# Allegro board belt-box-dvt3-0706pm14.brd (continued)
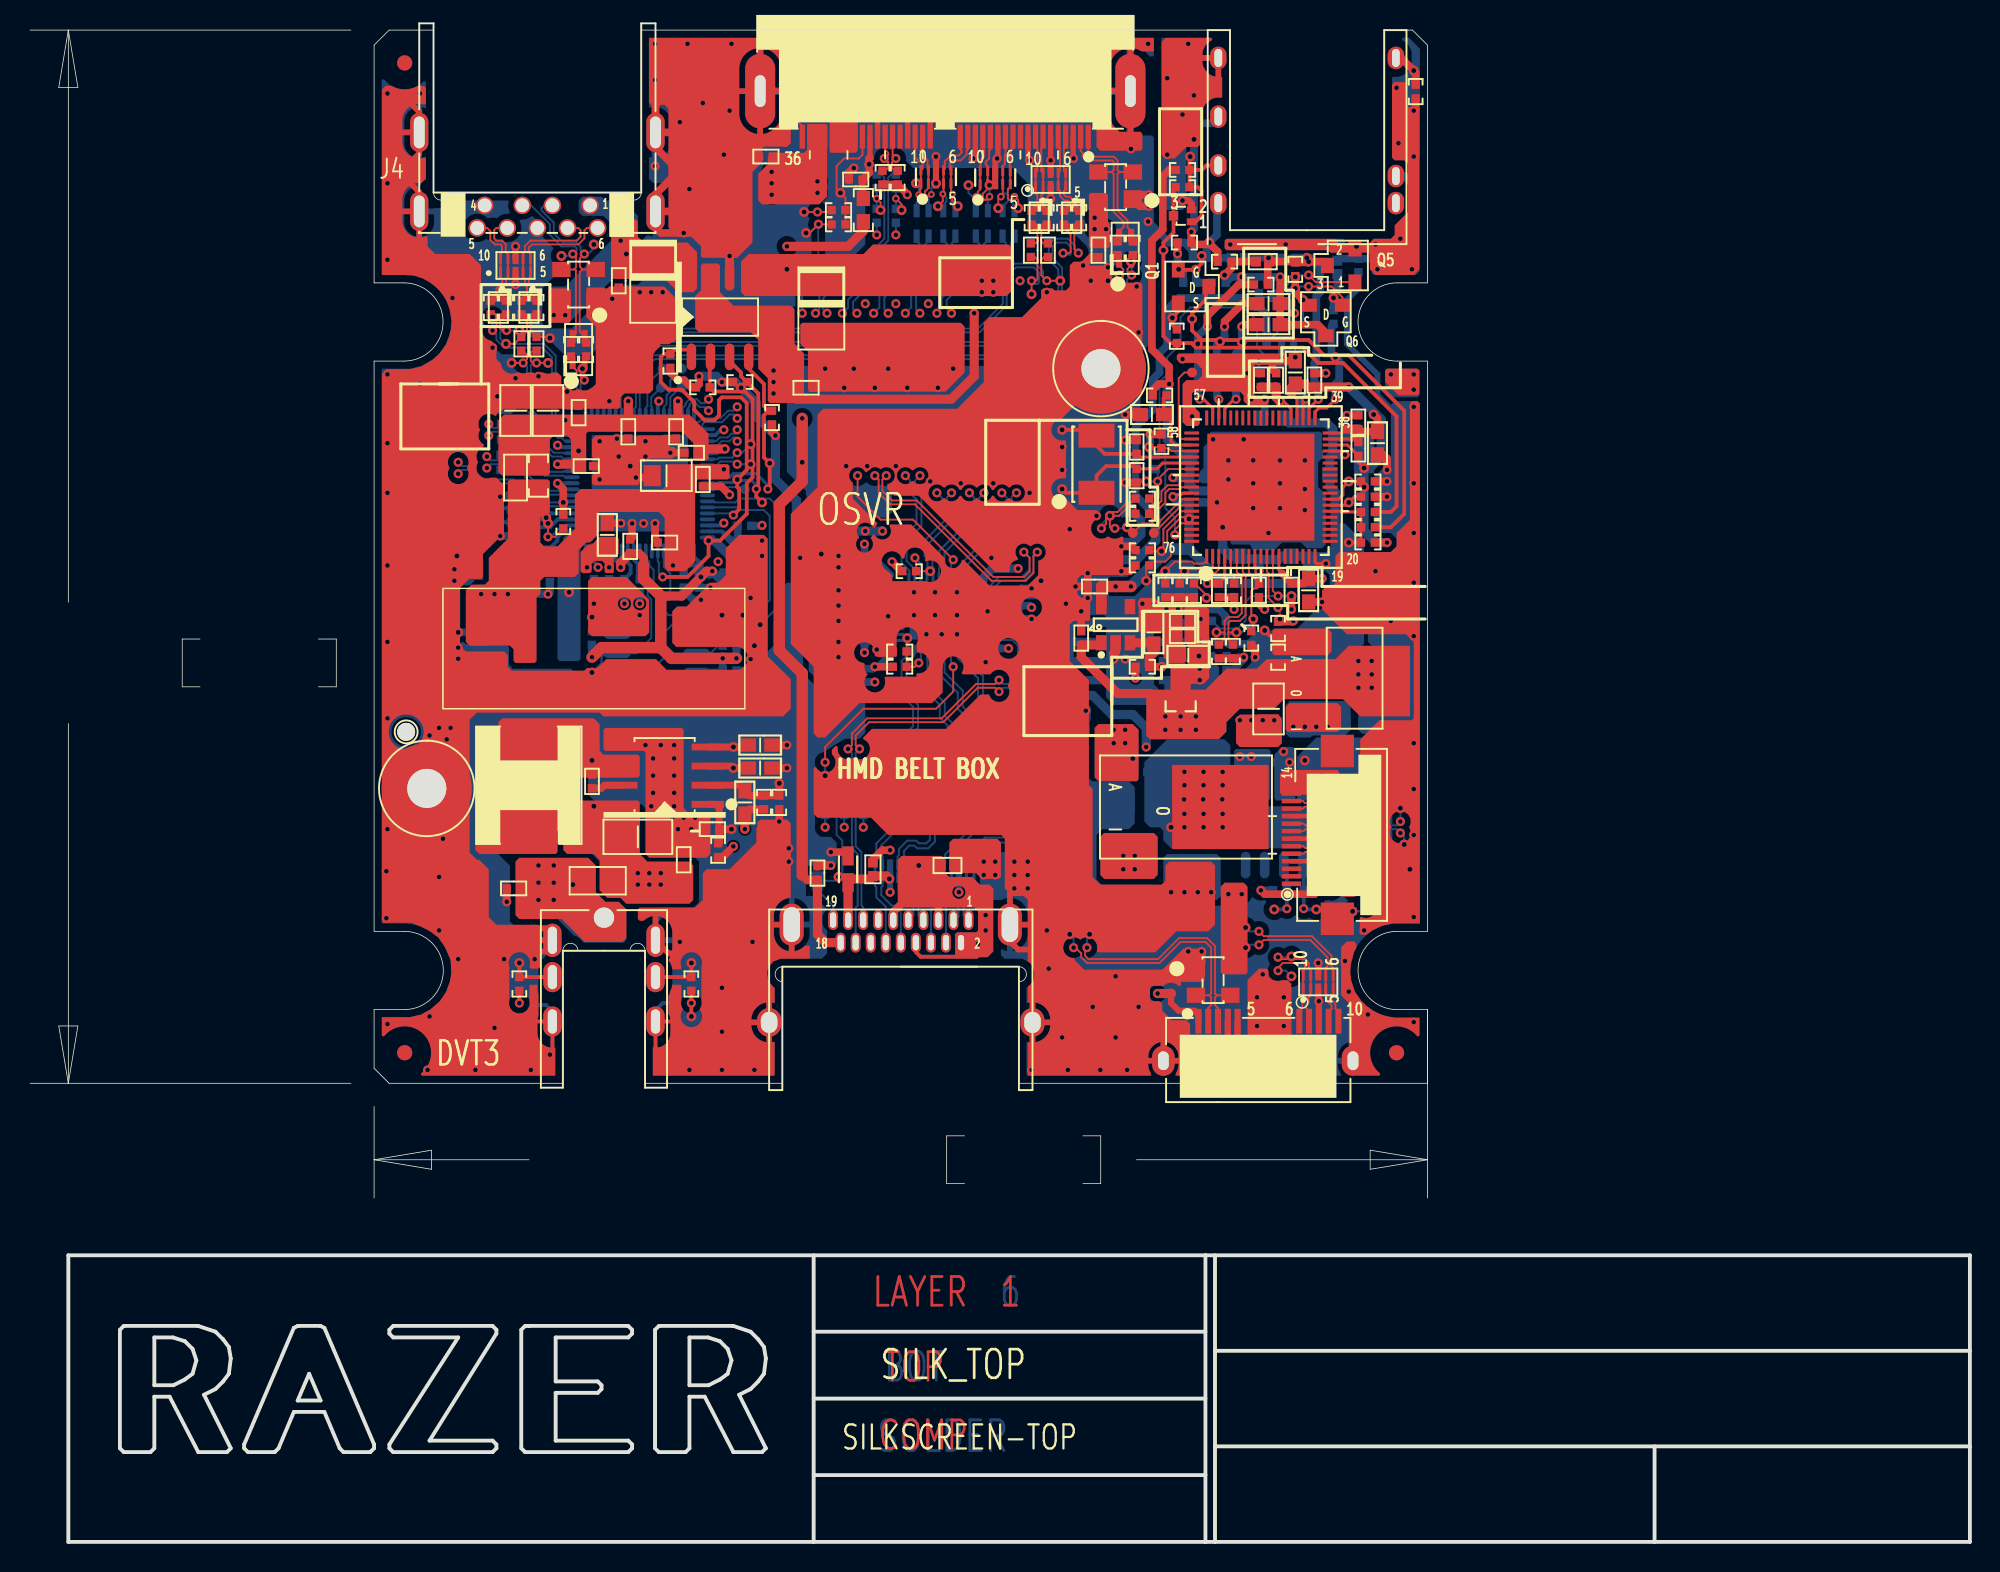
[diagram p0: board, top side]
## Copper pours and planes (outline as drawn; the poured copper is in the pictures) (continued)
+5V on TOP (solid shape): 45.85,84.84 45.85,83.06 46.74,82.17 50.55,82.17 50.8,81.92 50.8,79.63 51.44,78.99 51.44,75.95 51.18,75.69 49.15,75.69 49.02,75.82 49.02,77.34 48.39,77.98 48.39,79.88 47.88,80.39 44.45,80.39 44.2,80.64 44.2,82.8 44.58,83.19 44.58,84.84 44.7,84.96 45.72,84.96
+5V on BOTTOM (solid shape): 35.81,51.82 35.81,47.75 35.31,47.24 30.99,47.24 30.73,47.5 30.73,51.78 31.02,52.07 35.56,52.07
+5V on BOTTOM (solid shape): 84.07,52.7 84.07,49.4 83.95,49.28 82.8,49.28 82.68,49.4 82.68,52.32 83.19,52.83 83.95,52.83
+5V on BOTTOM (solid shape): 74.93,46.86 74.93,44.32 74.68,44.07 71.37,44.07 71.12,44.32 71.12,46.86 71.37,47.12 74.68,47.12
+5V on BOTTOM (solid shape): 87.76,55.63 87.76,53.98 87.38,53.59 85.22,53.59 85.09,53.47 83.69,53.47 83.44,53.72 83.44,55.63 83.69,55.88 87.5,55.88
+5V on VCC (solid shape): 58.67,70.61 55.24,70.61 54.61,69.98 54.61,55.01 55.27,54.36 73.55,54.36 74.82,53.09 82.91,53.09 83.31,53.49 83.31,54.76 83.67,55.12 89.41,55.12 89.41,44.81 87.02,42.42 70.72,42.42 70.36,42.78 70.36,47.6 69.7,48.26 32.11,48.26 31.75,48.62 31.75,63.65 35.67,67.56 45.19,67.56 47.75,70.13 47.75,77.11 51.03,80.39 58.67,80.39
+V1.5 on TOP (solid shape): 82.27,51.51 82.27,46.18 82.14,46.05 75.92,46.05 75.92,51.61 75.95,51.64 82.14,51.64
+V1.5 on BOTTOM (solid shape): 79.76,52.96 79.76,46.48 79.38,46.1 75.82,46.1 75.31,46.61 75.31,47.24 75.06,47.5 74.42,47.5 74.04,47.88 74.04,51.82 75.56,53.34 79.38,53.34
+V1.5 on IN1 (solid shape): outline of 792 points within 54.36,45.47 82.55,66.67
+V3.3 on TOP (solid shape): 91.69,54.86 88.39,54.86 87.25,56.01 83.31,56.01 82.68,55.37 80.39,55.37 79.5,54.48 79.5,53.85 78.99,53.34 74.42,53.34 74.17,53.59 74.17,56.39 74.42,56.64 78.1,56.64 79.5,58.04 81.53,58.04 82.17,58.67 86.74,58.67 87.63,59.56 91.69,59.56
+V3.3 on VCC (solid shape): 67.56,69.75 67.56,63.39 68.47,62.48 89.05,62.48 89.41,62.12 89.41,55.63 83.46,55.63 82.8,54.97 82.8,53.7 82.7,53.59 75.04,53.59 73.77,54.86 55.48,54.86 55.12,55.22 55.12,69.75 55.47,70.1 67.21,70.1
AGND on TOP (solid shape): 86.87,86.49 86.87,85.98 86.74,85.85 79.5,85.85 79.38,85.98 79.38,86.49 79.5,86.61 86.74,86.61
AGND on TOP (solid shape): 90.65,77.98 92.2,77.98 92.33,77.85 92.33,76.33 92.2,76.2 90.93,76.2 90.04,77.09 90.04,77.85 90.17,77.98 90.65,77.98
AGND on TOP (solid shape): 91.44,96.9 91.44,95.5 91.57,95.38 92.2,95.38 92.33,95.25 92.33,84.58 91.95,84.2 90.64,84.2 90.64,84.2 89.41,84.2 89.03,84.58 89.03,86.36 89.28,86.61 90.42,86.61 90.68,86.87 90.68,87.5 91.57,88.39 91.57,91.57 91.31,91.82 90.68,91.82 90.5,92 90.5,96.85 90.68,97.03 91.31,97.03
AGND on TOP (solid shape): 83.31,78.87 83.31,78.36 83.19,78.23 81.41,78.23 81.28,78.11 81.28,76.33 81.41,76.2 82.17,76.2 82.3,76.07 82.3,75.69 82.17,75.56 80.9,75.56 80.64,75.82 80.64,76.2 80.39,76.45 77.34,76.45 77.22,76.33 77.22,75.56 77.72,75.06 77.72,74.3 77.6,74.17 76.84,74.17 76.58,74.42 76.58,76.96 76.84,77.22 77.6,77.22 77.85,77.47 77.85,77.98 77.47,78.36 76.41,78.36 76.2,78.57 76.2,78.87 76.33,78.99 83.19,78.99
AGND on TOP (solid shape): 78.45,99.97 78.55,99.89 78.49,99.78 78.06,99.39 77.91,98.83 77.91,98.43 78.27,97.63 79.19,97.36 79.22,97.28 79.22,96.08 79.19,96 78.27,95.73 77.91,94.93 77.91,93.02 77.6,92.71 76.84,92.71 76.07,91.95 75.44,91.95 75.18,92.2 75.18,99.55 75.18,99.7 75.46,99.97
AGND on BOTTOM (solid shape): 87.38,86.49 87.38,85.98 87.25,85.85 79.5,85.85 79.38,85.98 79.38,86.36 79.63,86.61 87.25,86.61
AGND on BOTTOM (solid shape): 92.33,84.84 92.33,84.45 92.08,84.2 90.64,84.2 90.64,84.2 89.28,84.2 89.15,84.33 89.15,84.84 89.28,84.96 92.2,84.96
AGND on BOTTOM (solid shape): 92.33,77.85 92.33,76.2 92.2,76.07 90.3,76.07 90.04,76.33 90.04,77.85 90.17,77.98 92.2,77.98
AGND on BOTTOM (solid shape): 78.45,99.97 78.55,99.89 78.49,99.78 78.06,99.39 77.91,98.83 77.91,98.43 78.27,97.63 79.19,97.36 79.22,97.28 79.22,96.62 78.36,95.76 76.96,95.76 76.84,95.63 76.84,88.77 76.58,88.52 75.44,88.52 75.18,88.77 75.18,99.97
AGND on BOTTOM (solid shape): 92.35,99.25 92.35,91.97 92.06,91.68 91.55,91.68 91.13,91.97 90.62,92.03 90.54,92.05 90.5,92.13 90.5,97.28 90.54,97.36 91.45,97.63 91.81,98.43 91.81,98.83 91.66,99.39 91.23,99.78 91.17,99.89 91.27,99.97 91.63,99.97
AGND on VCC (solid shape): 79.22,86.79 79.22,86.79 79.22,86.66 79.35,86.66 79.35,86.66 90.36,86.66 90.5,86.66 90.5,86.8 90.5,86.8 90.5,99.97 91.63,99.97 92.35,99.25 92.35,84.2 90.64,84.2 90.11,84.11 89.53,83.92 89.33,83.8 89.15,83.69 88.95,83.57 88.9,83.54 88.68,83.34 88.39,83.05 88.37,83.02 88.31,82.95 88.2,82.74 88.19,82.72 87.9,82.13 87.76,81.45 87.73,81.06 87.73,81.01 87.76,80.71 87.79,80.53 87.86,80.24 87.91,80.01 87.95,79.92 88.05,79.74 88.3,79.29 88.73,78.79 89.27,78.4 89.57,78.24 89.92,78.12 90.09,78.05 90.65,77.98 92.35,77.98 92.35,76.07 87.83,76.07 85.8,74.04 78.18,74.04 77.85,73.71 77.85,73.33 77.8,73.28 76.38,73.28 76.2,73.46 76.2,78.41 75.18,79.43 75.18,99.97 79.22,99.97
AGND on IN1 (solid shape): outline of 1007 points within 75.18,73.41 92.35,99.97
AGND on IN2 (solid shape): outline of 1003 points within 75.18,73.41 92.35,99.97
AGND on GND (solid shape): 79.22,86.79 79.22,86.79 79.22,86.66 79.35,86.66 79.35,86.66 90.36,86.66 90.5,86.66 90.5,86.8 90.5,86.8 90.5,99.97 91.63,99.97 92.35,99.25 92.35,84.2 90.64,84.2 90.11,84.11 89.53,83.92 89.33,83.8 89.15,83.69 88.95,83.57 88.9,83.54 88.68,83.34 88.39,83.05 88.37,83.02 88.31,82.95 88.2,82.74 88.19,82.72 87.9,82.13 87.76,81.45 87.73,81.06 87.73,81.01 87.76,80.71 87.79,80.53 87.86,80.24 87.91,80.01 87.95,79.92 88.05,79.74 88.3,79.29 88.73,78.79 89.27,78.4 89.57,78.24 89.92,78.12 90.09,78.05 90.65,77.98 92.35,77.98 92.35,76.07 87.83,76.07 85.8,74.04 78.18,74.04 77.85,73.71 77.85,73.33 77.8,73.28 76.38,73.28 76.2,73.46 76.2,78.41 75.18,79.43 75.18,99.97 79.22,99.97
AV12 on TOP (solid shape): 45.09,73.66 45.09,72.01 44.96,71.88 44.2,71.88 44.07,72.01 44.07,73.03 43.31,73.79 37.08,73.79 36.96,73.66 36.96,71.12 36.83,70.99 36.07,70.99 35.94,71.12 35.94,73.28 35.69,73.53 34.8,73.53 34.54,73.28 34.54,70.99 34.42,70.87 31.37,70.87 31.12,71.12 31.12,74.55 31.5,74.93 43.81,74.93
DV12 on TOP (solid shape): 46.48,71.5 46.48,70.74 46.36,70.61 44.32,70.61 44.2,70.48 44.2,65.15 43.56,64.52 42.42,64.52 42.16,64.77 42.16,68.07 41.78,68.45 37.85,68.45 37.72,68.33 37.72,66.93 37.21,66.42 36.96,66.42 36.45,65.91 36.45,64.39 36.2,64.14 34.16,64.14 33.91,63.88 33.91,62.99 33.66,62.74 33.66,58.55 33.53,58.42 32.26,58.42 32.13,58.55 32.13,59.31 31.88,59.56 29.21,59.56 28.96,59.82 28.96,63.25 29.34,63.63 30.23,63.63 30.48,63.88 30.48,65.41 31.75,66.67 31.75,70.48 31.88,70.61 34.42,70.61 34.54,70.48 34.54,68.45 34.42,68.33 34.16,68.33 33.91,68.07 33.91,66.42 34.16,66.17 35.05,66.17 36.2,67.31 36.2,69.6 36.58,69.98 42.04,69.98 42.29,70.23 42.29,71.5 42.42,71.63 46.36,71.63
DV12 on BOTTOM (solid shape): 33.53,66.29 33.53,65.41 33.15,65.02 33.15,62.86 33.66,62.36 33.66,58.55 33.53,58.42 32.26,58.42 32.13,58.55 32.13,59.69 31.88,59.94 29.21,59.94 28.96,60.2 28.96,62.86 29.72,63.63 30.23,63.63 30.48,63.88 30.48,65.41 31.5,66.42 33.4,66.42
GND on TOP (solid shape): 62.1,80.77 62.1,77.72 60.83,76.45 51.82,76.45 51.69,76.58 51.69,79.12 51.18,79.63 51.18,80.9 51.31,81.03 61.85,81.03
GND on TOP (solid shape): 83.19,54.74 83.19,53.09 82.93,52.83 80.39,52.83 80.14,53.09 80.14,54.74 80.39,54.99 82.93,54.99
GND on TOP (solid shape): 64.52,46.48 64.52,44.2 64.39,44.07 63.25,44.07 62.87,44.45 61.21,44.45 61.09,44.58 61.09,46.48 61.34,46.74 64.26,46.74
GND on TOP (solid shape): 55.37,96.27 55.37,94.74 54.99,94.36 54.99,92.46 54.86,92.33 53.21,92.33 53.14,92.41 53.14,94.31 53.09,94.36 53.09,94.49 52.83,94.74 52.83,96.27 53.09,96.52 55.12,96.52
GND on TOP (solid shape): 75.06,62.36 76.45,62.36 76.58,62.23 76.58,59.69 76.84,59.44 76.84,58.55 76.71,58.42 75.69,58.42 75.31,58.8 75.31,60.33 75.18,60.45 73.79,60.45 73.66,60.58 73.66,62.61 73.79,62.74 74.68,62.74
GND on TOP (solid shape): 43.43,53.98 43.43,48.77 43.69,48.51 44.96,48.51 45.21,48.26 45.21,45.72 44.96,45.47 41.15,45.47 40.89,45.72 40.89,52.45 40.77,52.58 38.23,52.58 38.1,52.7 38.1,53.98 38.23,54.1 43.31,54.1
GND on TOP (solid shape): 82.3,37.97 82.3,37.59 82.55,37.34 82.66,37.34 82.67,37.33 82.93,37.28 83.19,37.33 83.2,37.34 83.57,37.34 83.82,37.08 83.82,33.53 83.69,33.4 81.28,33.4 80.9,33.78 80.9,37.34 81.66,38.1 82.17,38.1
GND on TOP (solid shape): 39.24,73.41 39.24,73.03 39.37,72.9 40.13,72.9 40.26,73.03 40.26,73.41 40.39,73.53 42.29,73.53 42.42,73.41 42.42,72.9 42.55,72.77 42.8,72.77 42.93,72.64 42.93,72.26 42.67,72.01 40.77,72.01 40.51,71.75 40.51,70.36 40.39,70.23 37.47,70.23 37.34,70.36 37.34,70.87 37.47,70.99 37.72,70.99 37.85,71.12 37.85,71.88 37.72,72.01 37.47,72.01 37.34,72.14 37.34,73.28 37.59,73.53 39.12,73.53
GND on TOP (solid shape): 88.14,39.75 88.14,39.5 87.99,39.22 87.78,38.46 87.76,38.33 87.73,37.95 87.73,37.8 87.78,37.36 87.93,36.88 88.04,36.58 88.26,36.25 88.44,35.99 88.82,35.61 89.26,35.31 89.66,35.1 89.87,35.03 90.12,34.95 90.37,34.9 90.68,34.85 92.28,34.85 92.31,34.83 92.33,34.8 92.33,33.7 92.26,33.61 92.15,33.64 89.57,33.75 89.68,31.17 89.71,31.06 89.61,30.99 88.14,30.99 87.63,31.5 87.63,35.81 87.12,36.32 87.12,39.52 87.5,39.9 87.99,39.9
GND on TOP (solid shape): outline of 106 points within 37.08,60.2 41.15,64.14
GND on TOP (solid shape): outline of 250 points within 41.12,85.34 74.68,99.97
GND on TOP (solid shape): outline of 99 points within 40.39,30.99 51.82,48.01
GND on TOP (solid shape): outline of 392 points within 85.09,40.39 92.35,75.82
GND on TOP (solid shape): outline of 882 points within 23.37,30.99 50.55,96.77
GND on TOP (solid shape): outline of 1829 points within 50.55,30.99 78.74,85.09
GND on BOTTOM (solid shape): 85.34,48.77 85.34,46.48 84.96,46.1 80.39,46.1 80.14,46.36 80.14,48.64 80.39,48.89 85.22,48.89
GND on BOTTOM (solid shape): 79.12,45.47 79.12,42.93 78.87,42.67 75.56,42.67 75.31,42.93 75.31,45.47 75.56,45.72 78.87,45.72
GND on BOTTOM (solid shape): 82.42,52.58 82.42,49.4 82.3,49.28 81.41,49.28 81.28,49.4 81.28,51.05 81.03,51.31 80.14,51.31 80.01,51.44 80.01,52.58 80.14,52.7 82.3,52.7
GND on BOTTOM (solid shape): 85.85,73.66 85.85,72.01 85.6,71.75 85.6,70.1 86.11,69.6 86.11,66.29 85.85,66.04 84.84,66.04 84.45,66.42 83.19,66.42 82.68,65.91 81.28,65.91 81.15,66.04 81.15,66.17 81.03,66.29 79.88,66.29 79.76,66.42 79.76,67.82 80.26,68.33 80.26,69.6 79.5,70.36 77.85,70.36 77.72,70.48 77.72,71.12 77.98,71.37 77.98,72.77 78.23,73.03 78.23,73.53 78.49,73.79 85.72,73.79
GND on BOTTOM (solid shape): outline of 83 points within 68.07,55.63 77.6,65.28
GND on BOTTOM (solid shape): 88.48,45.02 88.55,44.97 88.65,44.92 88.65,44.07 88.54,43.97 88.15,43.97 87.74,44 87.39,43.81 86.95,43.81 86.63,43.98 86.27,43.96 86.27,43.96 86.21,43.96 86.21,43.97 85.31,43.97 85.22,44.02 85.21,44.11 85.26,44.26 85.28,44.41 85.28,45.08 85.35,45.17 85.46,45.14 86.03,44.91 86.56,45.23 86.58,45.25 86.6,45.25 88.25,45.25
GND on BOTTOM (solid shape): 92.35,75.67 92.35,75.64 92.35,45.3 92.29,45.2 92.18,45.22 91.92,45.38 91.62,45.41 91.54,45.44 91.5,45.51 91.5,45.65 91.52,45.67 91.54,45.68 92.01,46.22 91.78,46.9 91.76,46.91 91.76,46.93 91.76,47.05 91.74,47.08 91.72,47.29 91.65,47.47 91.64,47.5 91.65,47.52 91.74,47.9 91.62,48.27 91.61,48.3 91.62,48.33 91.44,49.37 90.42,49.09 90.42,48.64 90.3,48.51 89.53,48.51 89.41,48.64 89.41,52.7 89.41,53.47 89.15,53.72 88.52,53.72 88.27,53.98 88.27,55.88 88.39,56.01 89.15,56.01 89.79,56.64 89.79,58.93 88.9,59.82 88.9,65.28 89.41,65.79 90.42,65.79 90.8,66.17 90.8,66.67 90.42,67.06 89.66,67.06 89.28,67.44 89.28,70.74 90.42,71.88 90.42,75.56 90.68,75.82 92.2,75.82
GND on BOTTOM (solid shape): outline of 1045 points within 63.12,30.99 92.35,61.55
GND on BOTTOM (solid shape): outline of 2835 points within 23.37,30.99 74.68,99.97
GND on VCC (solid shape): 34.9,30.99 24.08,30.99 23.37,31.7 23.37,34.87 25.22,34.87 25.96,35.04 26.61,35.39 26.77,35.54 27.22,35.92 27.23,35.94 27.64,36.54 27.89,37.22 27.95,37.58 27.98,37.74 27.99,37.83 27.99,37.86 27.95,38.54 27.94,38.65 27.93,38.71 27.75,39.12 34.9,39.12
GND on VCC (solid shape): outline of 204 points within 23.37,30.99 92.35,99.97
GND on IN1 (solid shape): 84.17,73.79 85.69,73.79 85.82,73.66 85.85,73.66 86.11,73.41 86.11,66.29 85.85,66.04 78.23,66.04 77.98,66.29 77.98,73.1 78.1,73.23 78.1,73.61 78.28,73.79 84.17,73.79
GND on IN1 (solid shape): 50.67,56.39 50.67,45.11 50.57,45.01 49.94,45.01 49.66,45.29 49.66,54.74 47.5,56.9 47.5,58.8 47.62,58.93 48.13,58.93
GND on IN1 (solid shape): 57.46,46.23 57.55,46.16 57.53,46.05 57.04,45.57 56.24,45.57 55.37,44.7 53.04,44.7 52.56,45.19 52.56,45.95 52.83,46.23
GND on IN1 (solid shape): outline of 915 points within 36.7,60.83 49.15,83.69
GND on IN1 (solid shape): outline of 2466 points within 35.35,30.99 92.35,75.82
GND on IN1 (solid shape): outline of 4605 points within 23.37,30.99 76.58,99.97
GND on IN2 (solid shape): 78.87,43.31 78.87,42.61 78.61,42.36 73.21,42.36 72.9,42.67 72.9,43.31 73.03,43.43 78.74,43.43
GND on IN2 (solid shape): 78.45,39.69 80.58,39.69 80.77,39.5 80.77,39.31 80.52,39.05 73.46,39.05 73.03,39.49 73.03,39.81 73.28,40.07 78.07,40.07
GND on IN2 (solid shape): 45.79,65.59 46.19,65.59 48.47,63.32 48.47,61.33 48.46,61.3 48.45,61.29 48.42,61.28 45.52,61.28 44.26,62.54 44.26,64.55 44.65,64.55 44.65,64.48 44.66,64.4 44.68,64.33 44.7,64.26 44.73,64.19 44.77,64.13 44.82,64.07 44.87,64.02 44.92,63.97 44.98,63.93 45.05,63.89 45.12,63.87 45.19,63.85 45.26,63.83 45.34,63.83 45.41,63.83 45.49,63.85 45.56,63.87 45.63,63.89 45.69,63.93 45.75,63.97 45.81,64.02 45.86,64.07 45.91,64.13 45.95,64.19 45.98,64.26 46,64.33 46.02,64.4 46.02,64.48 46.02,64.55 46.02,64.63 46,64.7 45.98,64.77 45.95,64.84 45.91,64.9 45.86,64.96 45.81,65.01 45.75,65.06 45.69,65.1 45.63,65.14 45.56,65.17 45.49,65.19 45.41,65.2 45.34,65.2 45.26,65.2 45.19,65.19 45.12,65.17 45.05,65.14 44.98,65.1 44.92,65.06 44.87,65.01 44.82,64.96 44.77,64.9 44.73,64.84 44.7,64.77 44.68,64.7 44.66,64.63 44.65,64.55 44.26,64.55 44.26,65.66 44.64,66.04 45.34,66.04
GND on IN2 (solid shape): outline of 375 points within 46.73,56.33 64.77,68.33
GND on IN2 (solid shape): outline of 770 points within 69.85,44.51 85.6,55.82
GND on IN2 (solid shape): outline of 8244 points within 23.37,30.99 92.35,99.97
GND on GND (solid shape): outline of 296 points within 23.37,30.99 92.35,99.97
VIN on TOP (solid shape): 52.96,94.11 52.96,89.41 52.45,88.9 48.64,88.9 48.39,89.15 48.39,90.93 49.02,91.57 49.02,92.08 49.28,92.33 51.44,92.33 51.64,92.53 51.64,94.18 51.69,94.23 52.83,94.23
VIN on TOP (solid shape): 37.59,44.96 37.59,43.18 38.23,42.55 39.12,42.55 39.62,42.04 39.62,40.13 39.37,39.88 36.83,39.88 35.31,41.4 32.51,41.4 32.26,41.66 32.26,45.21 32.51,45.47 37.08,45.47
VIN on BOTTOM (solid shape): 37.59,44.96 37.59,43.18 38.23,42.55 39.12,42.55 39.62,42.04 39.62,40.03 39.47,39.83 36.78,39.83 36.55,40.08 36.35,40.23 36.17,40.28 35.05,41.4 32.51,41.4 32.26,41.66 32.26,45.21 32.51,45.47 37.08,45.47
VIN on VCC (solid shape): outline of 127 points within 23.37,39.62 58.67,92.84
SW on BOTTOM (solid shape): 36.58,66.78 36.58,58.67 36.45,58.55 35.18,58.55 35.05,58.67 35.05,66.04 35.41,66.4 35.41,66.7 35.59,66.88 36.47,66.88
TMDS_GND on TOP (solid shape): 60.83,45.34 60.83,44.45 61.09,44.2 62.61,44.2 63.12,43.69 63.75,43.69 64.01,43.43 64.01,39.24 63.63,38.86 61.59,38.86 61.47,38.99 61.47,40.39 61.59,40.51 62.87,40.51 62.99,40.64 62.99,41.91 62.74,42.16 57.78,42.16 57.66,42.29 57.66,43.21 61.29,43.21 61.29,43.15 61.3,43.09 61.31,43.03 61.34,42.98 61.37,42.93 61.41,42.88 61.45,42.84 61.5,42.81 61.55,42.78 61.61,42.76 61.66,42.75 61.72,42.75 61.78,42.75 61.84,42.76 61.89,42.78 61.95,42.81 62,42.84 62.04,42.88 62.08,42.93 62.11,42.98 62.13,43.03 62.15,43.09 62.15,43.15 62.15,43.21 62.15,43.27 62.13,43.33 62.11,43.38 62.08,43.43 62.04,43.48 62,43.52 61.95,43.55 61.89,43.58 61.84,43.6 61.78,43.61 61.72,43.61 61.66,43.61 61.61,43.6 61.55,43.58 61.5,43.55 61.45,43.52 61.41,43.48 61.37,43.43 61.34,43.38 61.31,43.33 61.3,43.27 61.29,43.21 57.66,43.21 57.66,45.34 57.91,45.59 60.58,45.59
TMDS_GND on BOTTOM (solid shape): 64.01,42.16 64.01,39.24 63.63,38.86 61.59,38.86 61.47,38.99 61.47,40.39 61.59,40.51 62.87,40.51 62.99,40.64 62.99,42.16 63.12,42.29 63.88,42.29
USB_PWR1 on TOP (solid shape): 35.94,83.19 35.94,81.15 35.81,81.03 34.54,81.03 34.42,81.15 34.42,83.19 34.54,83.31 35.81,83.31
USB_PWR1 on TOP (solid shape): 40.39,87.76 40.39,86.74 40.77,86.36 43.69,86.36 44.32,85.72 44.32,83.31 44.07,83.06 43.05,83.06 42.16,83.95 38.73,83.95 38.61,84.07 38.61,87.76 38.73,87.88 40.26,87.88
USB_PWR1 on BOTTOM (solid shape): 38.23,89.15 39.12,89.15 39.62,88.65 39.88,88.65 40.39,88.14 40.39,84.07 40.26,83.95 38.73,83.95 35.81,81.03 34.54,81.03 34.42,81.15 34.42,83.19 34.67,83.44 35.56,83.44 38.61,86.49 38.61,87.63 38.1,88.14 36.7,88.14 36.45,88.39 36.45,89.15 36.7,89.41 37.97,89.41
USB_PWR2 on TOP (solid shape): 71.63,89.53 71.63,87.76 71.75,87.63 71.75,86.11 71.63,85.98 70.48,85.98 70.36,86.11 70.36,89.53 70.48,89.66 71.5,89.66
USB_PWR2 on TOP (solid shape): 65.28,85.98 65.28,83.19 64.9,82.8 47.5,82.8 47.24,83.06 47.24,85.09 47.75,85.6 55.37,85.6 56.01,86.23 65.02,86.23
USB_PWR2 on IN1 (solid shape): 72.14,88.39 72.14,86.61 71.88,86.36 68.33,86.36 68.07,86.11 68.07,84.58 67.82,84.33 65.41,84.33 65.28,84.2 65.28,83.06 64.9,82.68 62.61,82.68 62.1,83.19 62.1,88.39 62.36,88.65 71.88,88.65
USB_PWR4 on TOP (solid shape): 87,51.18 87,50.16 86.74,49.91 85.6,49.91 85.34,49.66 83.19,49.66 83.06,49.78 83.06,51.05 83.31,51.31 86.87,51.31
USB_PWR4 on BOTTOM (solid shape): 89.03,53.21 89.03,50.42 88.77,50.16 85.85,50.16 84.96,49.28 84.33,49.28 84.2,49.4 84.2,52.2 85.47,53.47 88.77,53.47
N16708492 on TOP (solid shape): 86.49,60.45 86.49,59.18 86.23,58.93 82.68,58.93 82.55,59.05 82.55,60.58 82.68,60.71 86.23,60.71
N16709232 on TOP (solid shape): 73.66,53.98 73.66,50.67 73.53,50.55 70.99,50.55 70.74,50.8 70.74,54.1 70.99,54.36 73.28,54.36
N16709232 on BOTTOM (solid shape): 73.66,53.98 73.66,50.93 73.53,50.8 70.87,50.8 70.74,50.93 70.74,54.1 70.99,54.36 73.28,54.36
N16817757 on TOP (solid shape): 40.51,49.15 40.51,45.72 41.02,45.21 43.81,45.21 44.07,44.96 44.07,42.67 43.81,42.42 39.62,42.42 39.24,42.8 38.35,42.8 37.85,43.31 37.85,45.34 37.47,45.72 35.69,45.72 35.43,45.97 35.43,49.02 35.69,49.28 40.39,49.28
N16817757 on BOTTOM (solid shape): 40.51,48.26 40.51,45.72 41.02,45.21 43.81,45.21 44.07,44.96 44.07,42.67 43.81,42.42 39.62,42.42 39.24,42.8 38.35,42.8 37.85,43.31 37.85,45.21 37.08,45.97 37.08,48.26 37.34,48.51 40.26,48.51
N16817821 on TOP (solid shape): 37.85,54.36 37.85,52.58 38.1,52.32 40.39,52.32 40.51,52.2 40.51,50.93 40.39,50.8 31.37,50.8 31.12,51.05 31.12,54.48 31.37,54.74 37.47,54.74
GND on BOTTOM (solid shape): 61.87,63.44 61.9,63.43 61.92,63.39 61.92,60.05 61.9,60.02 61.87,60 58.53,60 58.49,60.02 58.48,60.05 58.48,63.39 58.49,63.43 58.53,63.44
GND on BOTTOM (solid shape): 80.72,58.95 80.73,58.92 80.73,58.91 80.72,58.75 80.75,58.6 80.75,58.57 80.74,58.55 80.11,57.91 79.43,57.91 79.39,57.93 79.38,57.96 79.38,58.17 79.39,58.2 79.43,58.22 80.16,58.22 80.16,59 80.18,59.04 80.21,59.05 80.61,59.05

Small or netless copper shapes (teardrops, artwork), in the pictures only: 11 on TOP

## Text on the board
Ref Des/Silkscreen Bottom: P/N:00.Z6204G003 | Rev:A | e1
User.Comments: OBLONG 16X40 | OBLONG 20X47 | OBLONG 28X49 | OBLONG 43X55 | OBLONG 24X63 | OBLONG 24X71 | OBLONG 28X83 | OBLONG 43X91
Board Geometry/Outline: 1.Default 5MIL IS 55 OHM +/- 10% | 2.USB SIGNALS IS YELLOW 5:5 MIL DIFFERENTIAL 90 OHM +/- 5% | 3.HDMI SIGNALS IS BLUE 5:8 MIL DIFFERENTIAL 100 OHM +/- 10% | TRACE:SPACE
Ref Des/Silkscreen Top: HMD BELT BOX | DVT3 | HMD | OSVR
User.8: FIGURE | SIZE | 8.0 | 10.0 | 12.0 | 36.0 | 53.0 | 102.0 | 47.0 | DRILL CHART: TOP to BOTTOM | ALL UNITS ARE IN MILS | PLATED | NON-PLATED | QTY | 4 | 6 | 629 | 9 | 1 | 2 | 19 | 7
User.16: 1.00 | 1 | 30 | 36 | 1.00 THICKNESS | 4.51 | 26.00 | 71.00 | 2- dia2.40 HOLE
User.23: .07874" | .028" | .200" | .03937" | .0120"
